# Altium PCB foxbms2-master.PcbDoc (part 6 of 11) (continued)
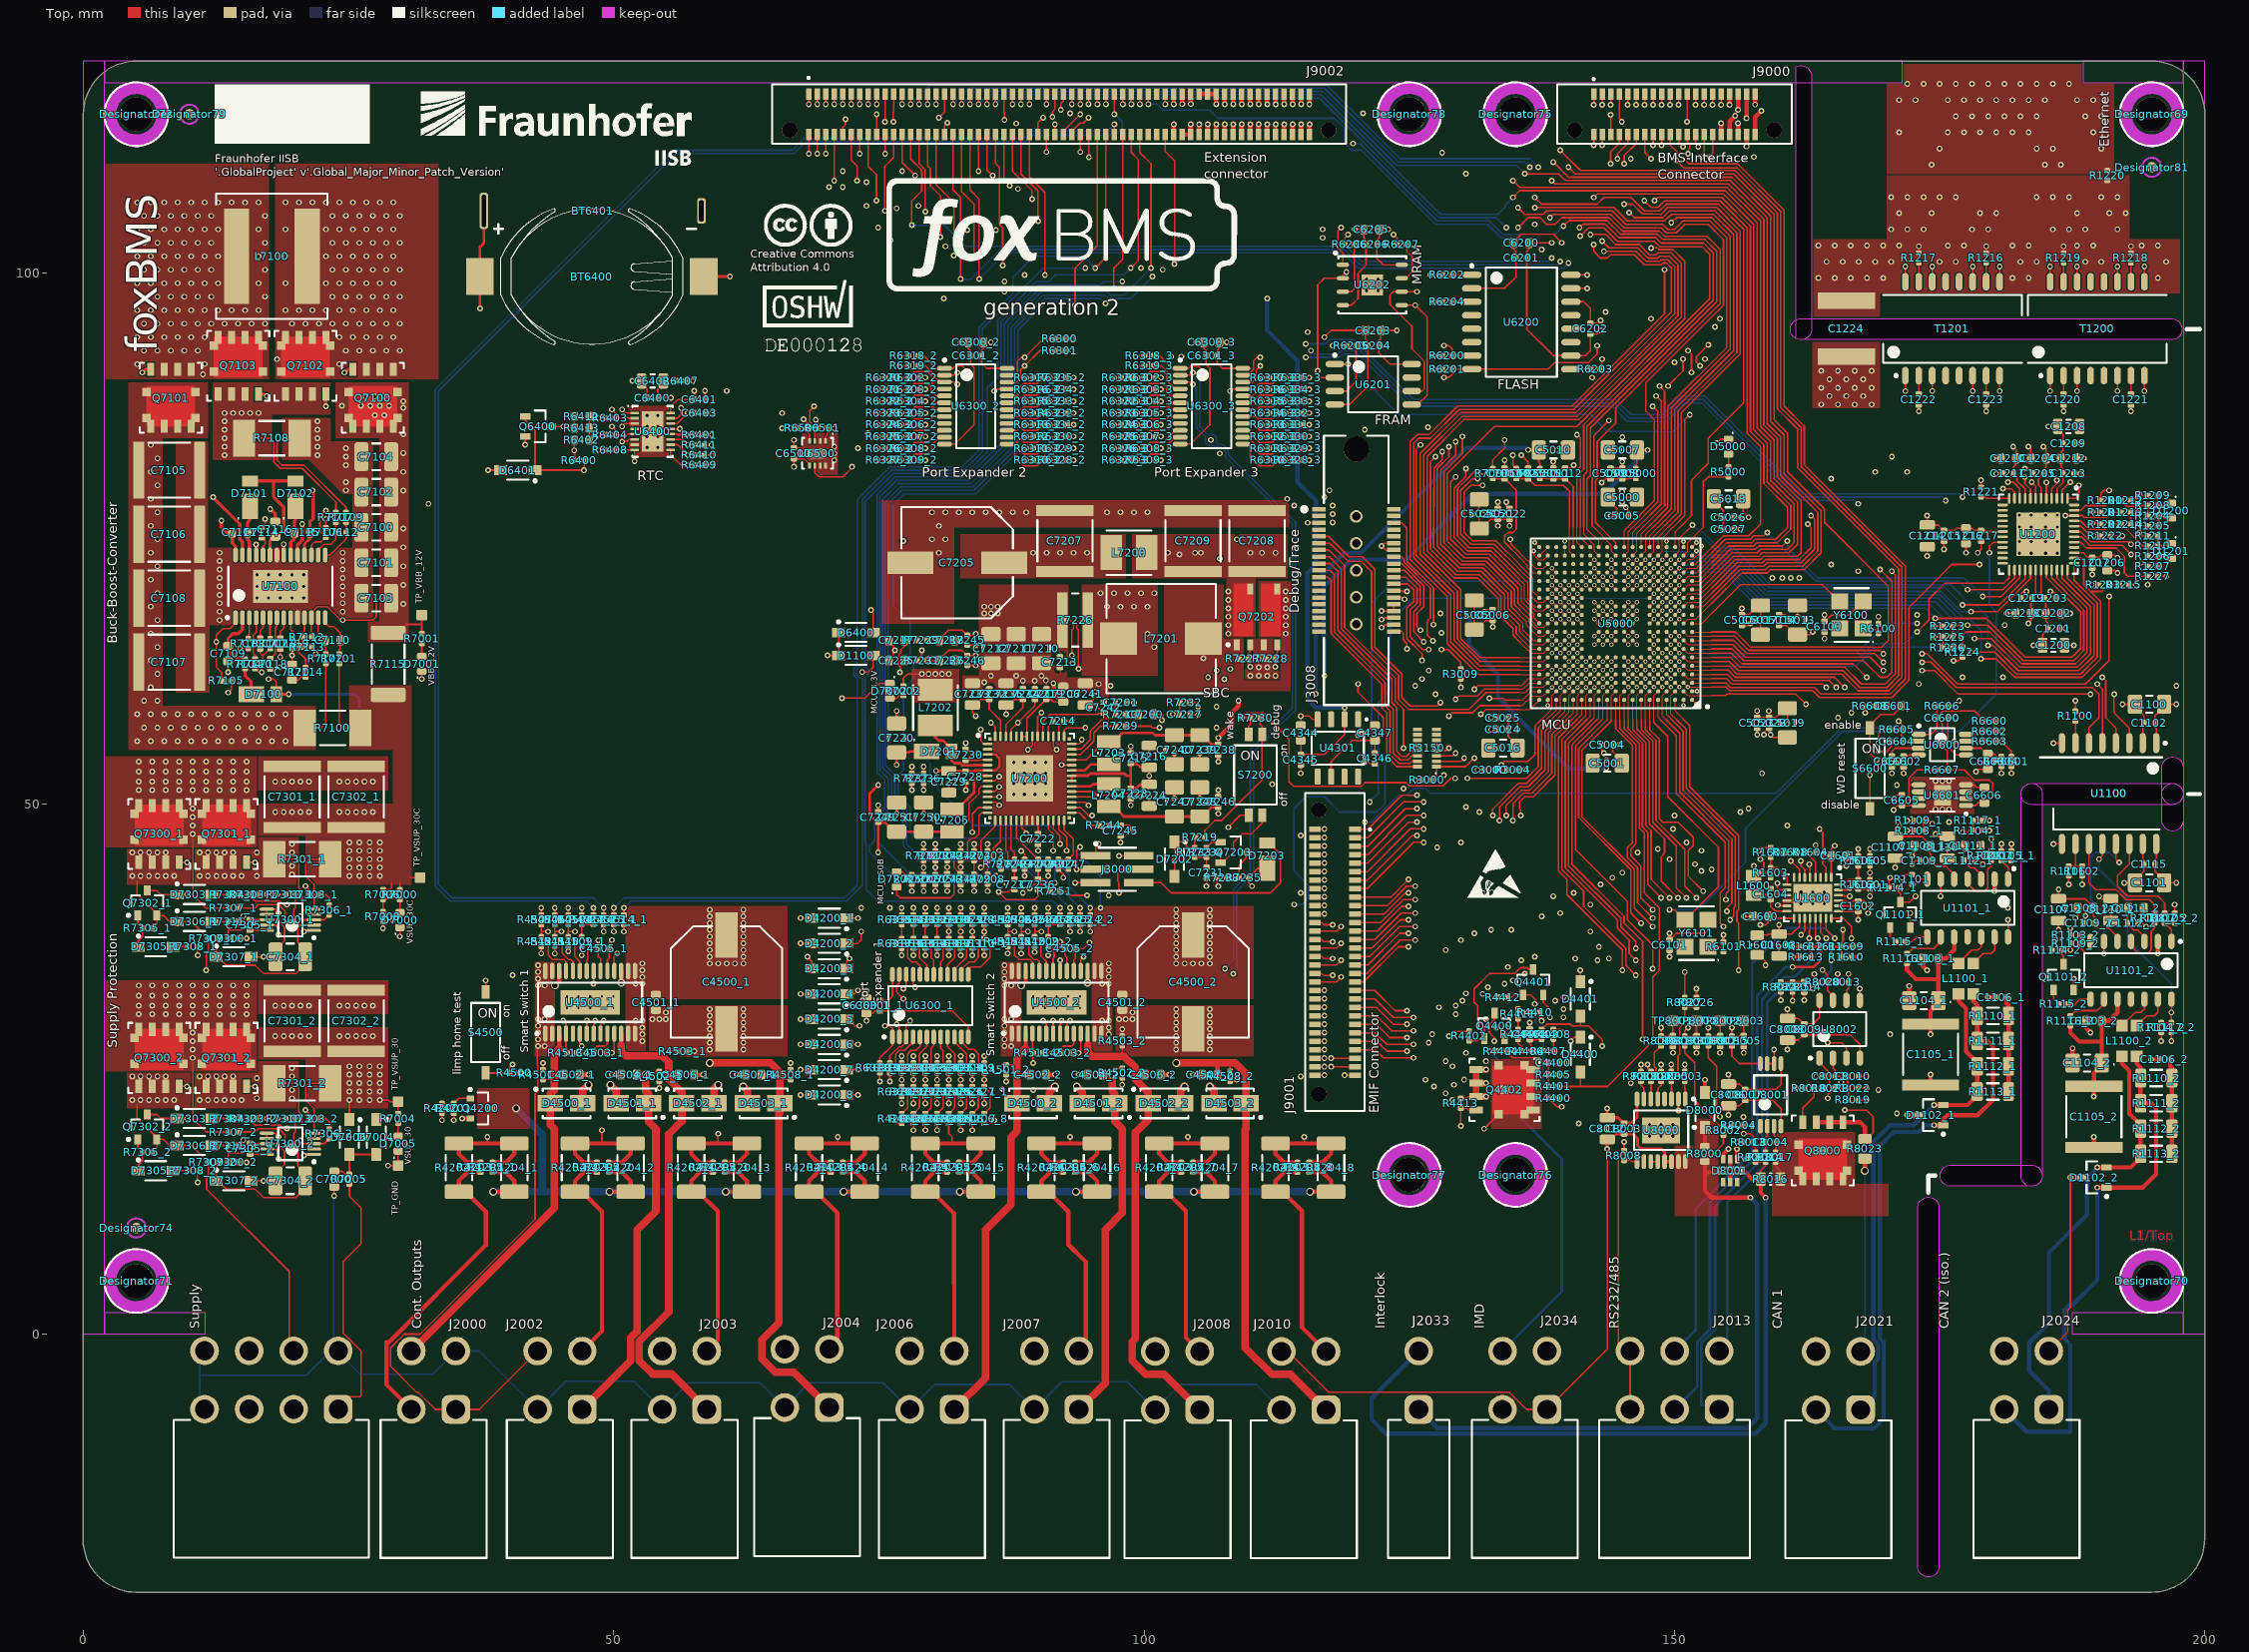
[diagram p0: Top view]
## Nets (pads, with @x,y where several pads share a name; then routed paths per layer and width w, separated by ;. In a path a pad name is that pad's centre, name@x,y a point inside that pad or via, vN(x,y) a via of type N, cw(c..) or ccw(c..) an arc to the next point about the centre after c; other vN are vias at no path point) (continued)
  Top w0.254: v2(80.4,53.095) C7229.2@81.597,53.095 82.636,53.095 82.675,53.056 C7228.2@83.185,53.056 84.013,53.056 84.094,53.138 U7200.6@85.255,53.138 85.999,53.138 86.36,53.499 86.36,54.292 86.015,54.638 U7200.3@85.255,54.638 ; U7200.35@93.18,52.138 U7200.36@93.18,52.637 94.706,52.637 94.909,52.84 98.131,52.84 98.346,52.626 98.742,52.626 ; 98.742,52.626 C7223.2@98.742,51.469 99.306,51.469 99.662,51.825 C7224.2@100.489,51.825 v2(100.489,52.626) C7216.2@100.489,53.426 99.662,53.426 99.306,53.782 C7215.2@98.742,53.782 98.742,52.626
  Top w0.406: J9002.102@108.4,113.1 v1(108.4,114.042) ; J9002.104@109.2,113.1 v1(109.2,114.042) ; v1(110,115.947) J9002.105@110,116.9 ; v1(110.8,115.947) J9002.107@110.8,116.9 ; J9000.34@155.2,113.1 155.2,114.316 v1(155.728,114.844) ; v1(156,115.411) J9000.35@156,116.9
  Int3 (Sig) w0.152: v1(187.801,59.69) 191.77,59.69 193.199,61.119 v1(197.326,61.119)
  Int1 (Sig) w0.152: v2(90.329,58.579) 91.123,58.579 92.71,60.166 92.71,63.5 v2(93.186,63.976)
  Int5 (Pwr) w0.152: v2(22.86,76.835) 25.345,76.835 26.352,77.842 26.352,83.777 28.381,85.806 43.363,85.806 44.396,84.772 v2(48.578,84.772) ; 73.819,31.274 v2(73.819,32.385) ; v2(77.153,35.719) v2(78.264,35.719) v2(79.375,35.719) v2(80.486,35.719) v2(81.597,35.719) v2(82.709,35.719) v2(83.82,35.719) v2(84.931,35.719) 84.931,31.274 ; v1(78.105,41.751) 78.105,42.862 ; v2(181.769,52.864) 181.769,54.71
  Int6 (Sig) w0.406: v1(110,115.947) v1(110.8,115.947) 110.8,116.515 111.284,116.999 116.84,116.999 118.745,115.094 118.745,106.045 v1(116.84,104.14) v1(116.84,103.346)
  other v2: 79.692,62.23 80.328,62.23 80.962,62.23 81.597,62.23 84.931,67.945 85.566,67.945 86.201,67.945 84.931,68.58 85.566,68.58 86.201,68.58
MCU_5.0V_LDO: C1110_1.2 C1111_1.2 C1112_1.2 C4505_1.2 C4505_2.2 C5010.2 C7234.2 C7235.2 C8006.2 C8007.2 C8008.2 C8009.2 D8000.2 FB5001.1 J9000.36 J9000.37 J9002.106 J9002.108 J9002.109 J9002.111 R1600.1 R6606.1 R7201.2 R8005.2 R8018.2 R8019.1 U1101_1.3 U4500_1.19 U4500_2.19 U7200.54 U8001.5 U8002.8 | length 256.8
  Top w0.152: U4500_1.19@49.409,34.224 49.409,35.28 49.564,35.435 C4505_1.2@49.564,36.354 49.564,36.864 v1(49.847,37.148) ; R7201.2@79.216,45.535 v2(79.216,46.196) ; U7200.54@86.967,56.35 86.967,57.44 88.582,59.055 C7234.2@88.582,59.815 87.785,59.815 87.27,59.3 C7235.2@86.995,59.3 v2(86.995,58.42) ; U4500_2.19@93.382,34.224 93.383,35.28 93.538,35.435 C4505_2.2@93.538,36.354 94.307,36.354 v1(94.858,36.905) ; v2(136.207,83.344) C5010.2@137.214,83.344 137.214,82.179 137.319,82.074 FB5001.1@137.319,81.571 ; R8005.2@149.701,24.739 v2(149.701,25.4) ; v2(155.099,24.447) C8006.2@155.099,23.568 156.121,23.568 156.636,23.053 C8007.2@156.686,23.053 159.578,23.053 160.043,23.518 U8001.5@160.043,25.493 ; R1600.1@157.797,35.746 157.973,35.746 158.576,35.143 158.576,34.782 v1(158.591,34.766) ; v2(160.655,30.639) C8008.2@160.655,29.759 161.677,29.759 162.193,29.244 C8009.2@162.243,29.244 163.07,29.244 163.671,29.845 U8002.8@163.671,31.459 ; v2(161.449,23.177) R8018.2@162.269,23.177 ; R8019.1@167.296,22.066 v2(168.116,22.066) ; v1(174.625,47.149) 174.87,46.904 C1110_1.2@175.736,46.904 176.011,46.904 176.878,46.038 C1111_1.2@177.393,46.038 177.393,45.461 177.29,45.358 C1112_1.2@177.29,44.609 177.29,44.559 177.875,43.974 178.251,43.974 178.911,43.314 U1101_1.3@178.911,42.889 ; R6606.1@175.71,59.214 176.422,59.214 176.847,59.639 v2(176.847,59.69)
  Top w0.406: J9002.106@110,113.1 v1(110,114.042) ; J9002.108@110.8,113.1 v1(110.8,114.042) ; v1(111.6,115.941) J9002.109@111.6,116.9 ; v1(112.4,115.941) J9002.111@112.4,116.9 ; D8000.2@152.876,22.749 v2(152.876,23.971) ; J9000.36@156,113.1 v1(156,114.141) ; v1(156.8,114.617) J9000.37@156.8,116.9
  Int3 (Sig) w0.406: v1(120.65,115.094) 120.65,113.983 123.271,111.362 v1(128.111,111.362) ; v2(136.207,83.344) 137.943,83.344 138.624,84.025 141.954,84.025 142.464,84.536 v1(145.097,84.536) 151.526,84.536 153.194,82.867 169.227,82.867 170.815,81.28 v1(171.926,81.28)
  Int1 (Sig) w0.152: v2(79.216,46.196) 79.851,45.561 80.645,45.561 81.121,46.038 81.121,50.165 86.995,56.039 v2(86.995,58.42)
  Int4 (Sig) w0.406: v2(86.995,58.42) 87.95,59.375 97.634,59.375 98.63,60.371 108.902,60.371 116.159,60.371 v1(116.182,60.348) ; v1(111.6,115.941) v1(112.4,115.941) 112.4,115.411 112.717,115.094 v1(120.65,115.094) ; v1(128.111,111.362) 128.111,110.331 130.493,107.95 138.112,107.95 141.082,104.98 142.352,104.98 144.304,103.029 144.304,94.081 145.097,93.288 v1(145.097,84.536) ; v1(171.926,81.28) 171.926,61.119 173.355,59.69 v2(176.847,59.69)
  Bottom w0.406: v1(116.182,60.348) 116.205,70.961 118.879,73.635 120.466,73.635 130.38,83.549 136.002,83.549 v2(136.207,83.344)
MCU_5.74V: C4344.2 C4345.2 C7220.2 C7221.2 D7201.1 J9002.110 J9002.112 Q4400.S R4402.2 U4301.2 U7200.53 | length 210.7
  Top w0.152: U7200.53@87.468,56.35 87.468,56.988 v2(88.106,57.626) 89.694,59.214 C7221.2@89.694,59.815 ; C4344.2@114.776,55.949 C4345.2@114.776,54.644 117.033,54.644 118.904,56.515 U4301.2@118.904,57.945 v1(118.904,59.055) ; v1(128.746,28.099) 129.196,28.549 R4402.2@130.651,28.549 ; Q4400.S@133.982,27.851 133.982,28.453 134.363,28.833 134.363,29.192 v1(134.381,29.21)
  Top w0.254: v2(76.676,53.657) C7220.2@76.676,54.823 77.841,54.823 77.946,54.927 D7201.1@79.477,54.927
  Top w0.406: J9002.110@111.6,113.1 v1(111.6,114.042) ; J9002.112@112.4,113.1 v1(112.4,114.042)
  Int3 (Sig) w0.254: v2(76.676,53.657) 79.375,56.356 86.836,56.356 v2(88.106,57.626)
  Int3 (Sig) w0.406: v1(111.6,114.042) v1(112.4,114.042) ; v1@111.601,97.632 v1@111.601,114.042
  Int1 (Sig) w0.152: v1(76.041,40.164) 76.041,53.023 v2(76.676,53.657)
  Int4 (Sig) w0.152: v1(76.041,40.164) 76.676,40.799 96.203,40.799 103.981,33.02 105.251,33.02 114.617,23.654 124.301,23.654 v1(128.746,28.099) 132.239,28.099 132.398,28.258 133.428,28.258 v1(134.381,29.21)
  Int4 (Sig) w0.406: v2(88.106,57.626) 90.34,57.626 91.292,58.579 101.906,58.579 103.145,59.817 107.338,59.817 108.235,58.92 114.3,58.92 114.435,59.055 v1(118.904,59.055)
  Bottom w0.406: v1(111.601,97.631) 111.601,94.615 114.459,91.757 114.459,80.327 116.205,78.581 116.205,72.549 115.411,71.755 115.411,59.849 116.205,59.055 v1(118.904,59.055)
MCU_ADC.AD1EVT_1: J9002.56 U5000.N19 | length 87.7
  Top w0.102: 135.414,72.549 136.684,71.279 136.684,69.971 U5000.N19@137.263,69.393
  Top w0.152: J9002.56@90,113.1 90,114.182 v1(90.495,114.677) ; v1(131.921,80.01) 130.81,80.01 130.175,79.375 130.175,75.565 130.969,74.771 133.191,74.771 135.414,72.549
  Int1 (Sig) w0.152: v1(90.495,114.677) 90.495,113.181 91.599,112.078 94.774,112.078 96.361,110.49 102.711,110.49 104.775,108.426 124.936,108.426 132.398,100.965 132.398,81.588 132.476,81.51 132.476,80.564 v1(131.921,80.01)
MCU_ADC.AD1IN0: C7245.2 R7244.2 U5000.W14 | length 92.6
  Top w0.102: 140.811,76.041 140.811,74.644 U5000.W14@141.263,74.192
  Top w0.152: R7244.2@96.653,47.942 97.345,47.942 97.378,47.976 C7245.2@97.79,47.976 98.55,47.976 v2(98.901,47.625) ; 140.811,76.041 140.811,81.448 141.129,81.766 141.129,84.455 v1(140.811,84.772)
  Int3 (Sig) w0.152: v2(98.901,47.625) 100.013,46.514 114.3,46.514 v1(114.776,46.99) ; v1(120.809,85.249) 125.571,85.249 126.365,86.042 127.476,86.042 128.351,85.168 135.047,85.168 135.443,84.772 v1(140.811,84.772)
  Int1 (Sig) w0.152: v1(114.776,46.99) 114.776,52.07 115.57,52.864 115.57,75.686 116.364,76.48 116.364,82.55 119.062,85.249 v1(120.809,85.249)
MCU_ADC.AD1IN1: U5000.V17
MCU_ADC.AD1IN2: C8000.2 R8001.1 TP8000.1 U5000.V18 | length 62.9
  Top w0.102: v4(136.744,73.819) 136.744,73.413 137.178,72.979 137.649,72.979 U5000.V18@138.063,73.392
  Top w0.152: v1(151.289,28.892) 150.971,28.575 R8001.1@150.971,28.072 151.611,28.072 151.671,28.133 C8000.2@152.082,28.133 ; TP8000.1@152.082,29.527 C8000.2@152.082,28.133 ; C8000.2@152.132,28.133 C8000.2@152.082,28.133
  Int3 (Sig) w0.152: v1(139.541,30.639) 140.017,30.639 141.129,29.527 150.654,29.527 v1(151.289,28.892)
  Int6 (Sig) w0.102: v4(136.744,73.819) 136.744,71.06 136.843,70.961 136.843,57.944
  Int6 (Sig) w0.152: 136.843,57.944 136.843,39.052 137.954,37.941 137.954,31.432 138.748,30.639 v1(139.541,30.639)
MCU_ADC.AD1IN3: C8002.2 R8009.1 TP8002.1 U5000.T17 | length 61.4
  Top w0.102: v3(138.463,72.192) U5000.T17@138.863,71.792
  Top w0.152: v1(153.194,28.892) R8009.1@153.194,28.072 153.833,28.072 153.893,28.133 C8002.2@154.305,28.133 TP8002.1@154.305,29.527
  Int3 (Sig) w0.152: v1(138.748,31.432) 138.806,31.432 139.043,31.196 139.937,31.196 141.287,29.845 152.241,29.845 v1(153.194,28.892)
  Int6 (Sig) w0.102: 137.16,57.944 137.16,70.89 v3(138.463,72.192)
  Int6 (Sig) w0.152: 137.16,57.944 137.16,41.275 138.271,40.164 138.271,31.909 v1(138.748,31.432)
MCU_ADC.AD1IN4: C8001.2 R8006.1 TP8001.1 U5000.U18 | length 65.5
  Top w0.102: 135.414,73.66 136.892,72.182 137.652,72.182 U5000.U18@138.063,72.592
  Top w0.152: v1(134.542,74.93) 134.542,74.532 135.414,73.66 ; v1(148.749,28.892) R8006.1@148.749,28.072 149.388,28.072 149.448,28.133 C8001.2@149.86,28.133 TP8001.1@149.86,29.527
  Int3 (Sig) w0.152: v1(139.541,29.845) 140.176,29.845 141.129,28.892 v1(148.749,28.892)
  Int6 (Sig) w0.102: 135.414,74.058 136.366,73.106 136.366,70.961 136.525,70.802 136.525,57.944
  Int6 (Sig) w0.152: v1(134.542,74.93) 135.414,74.058 ; 136.525,57.944 136.525,38.894 137.636,37.782 137.636,31.274 139.065,29.845 v1(139.541,29.845)
MCU_ADC.AD1IN5: C8005.2 R8015.1 TP8003.1 U5000.R17 | length 61.9
  Top w0.102: v3(138.463,71.392) U5000.R17@138.863,70.992
  Top w0.152: v1(155.416,28.892) R8015.1@155.416,28.072 156.056,28.072 156.116,28.133 C8005.2@156.528,28.133 TP8003.1@156.528,29.527
  Int3 (Sig) w0.152: v1(139.541,31.75) 139.842,31.45 140.159,31.45 141.446,30.162 154.146,30.162 v1(155.416,28.892)
  Int6 (Sig) w0.102: 137.477,57.944 137.477,70.407 v3(138.463,71.392)
  Int6 (Sig) w0.152: 137.477,57.944 137.477,41.434 138.589,40.322 138.589,32.703 v1(139.541,31.75)
MCU_ADC.AD1IN6: C7001.2 R7007.2 U5000.T19 | length 12.9
  Top w0.102: 135.414,73.214 136.173,72.455 136.173,72.266 136.646,71.792 U5000.T19@137.263,71.792
  Top w0.152: R7007.2@132.874,80.671 133.25,80.671 133.31,80.611 C7001.2@133.985,80.611 134.035,80.611 135.096,79.55 135.096,75.882 134.779,75.565 134.302,75.565 133.985,75.248 133.985,74.643 135.414,73.214
MCU_ADC.AD1IN7: U5000.V14
MCU_ADC.AD1IN8: U5000.P18
MCU_ADC.AD1IN9: U5000.W17
MCU_ADC.AD1IN10: U5000.U17
MCU_ADC.AD1IN11: U5000.U19
MCU_ADC.AD1IN12: U5000.T16
MCU_ADC.AD1IN13: U5000.T18
MCU_ADC.AD1IN14: U5000.R18
MCU_ADC.AD1IN15: U5000.P19
MCU_ADC.AD1IN16: U5000.V13
MCU_ADC.AD1IN17: U5000.U13
MCU_ADC.AD1IN18: U5000.U14
MCU_ADC.AD1IN19: U5000.U16
MCU_ADC.AD1IN20: U5000.U15
MCU_ADC.AD1IN21: U5000.T15
MCU_ADC.AD1IN22: U5000.R19
MCU_ADC.AD1IN23: U5000.R16
MCU_ADC.AD1IN24: J9002.58 U5000.N18 | length 85.4
  Top w0.102: 135.414,72.072 136.481,71.006 136.481,69.577 137.063,68.994 137.664,68.994 U5000.N18@138.063,69.393
  Top w0.152: v1(90.793,111.442) 90.793,112.441 90.8,112.448 J9002.58@90.8,113.1 ; v1(131.445,80.645) 130.969,80.645 129.857,79.534 129.857,75.406 130.81,74.454 133.032,74.454 135.414,72.072
  Int1 (Sig) w0.152: v1(90.793,111.442) 92.38,109.855 102.394,109.855 104.457,107.791 124.619,107.791 131.762,100.647 131.762,82.074 131.286,81.597 131.286,81.131 131.396,81.022 131.396,80.694 v1(131.445,80.645)
MCU_ADC.AD1IN25: J9002.59 U5000.P17 | length 84.6
  Top w0.102: v4(138.463,70.592) U5000.P17@138.863,70.192
  Top w0.152: v1(91.365,114.758) 91.365,115.23 91.606,115.471 91.6,115.478 J9002.59@91.6,116.9
  Int1 (Sig) w0.102: 136.684,76.041 138.748,73.977 138.748,72.549 138.906,72.39 138.906,71.036 v4(138.463,70.592)
  Int1 (Sig) w0.152: v1(91.365,114.758) 90.964,114.357 90.964,113.189 91.757,112.395 95.091,112.395 96.679,110.807 102.87,110.807 104.934,108.744 125.095,108.744 132.715,101.124 132.715,81.597 135.096,79.216 135.096,77.629 136.684,76.041
MCU_ADC.AD1IN26: J9002.60 U5000.P16 | length 82.3
  Top w0.102: v4(139.263,70.592) U5000.P16@139.663,70.192
  Top w0.152: J9002.60@91.6,113.1 v1(91.6,114.042)
  Int1 (Sig) w0.102: 137.16,76.041 139.7,73.501 139.7,71.03 v4(139.263,70.592)
  Int1 (Sig) w0.152: v1(91.6,114.042) 91.6,113.34 92.227,112.712 95.25,112.712 96.837,111.125 103.029,111.125 105.093,109.061 125.254,109.061 133.032,101.282 133.032,81.756 135.414,79.375 135.414,77.787 137.16,76.041
MCU_ADC.AD1IN27: J9002.61 U5000.P15 | length 83.5
  Top w0.102: v4(140.063,70.592) U5000.P15@140.463,70.192
  Top w0.152: v1(92.157,115.407) 92.157,116.005 92.4,116.248 J9002.61@92.4,116.9 J9002.61@92.362,116.862
  Int1 (Sig) w0.102: 137.636,76.041 140.063,73.615 v4(140.063,70.592)
  Int1 (Sig) w0.152: v1(92.157,115.407) 92.157,114.218 93.345,113.03 95.409,113.03 96.996,111.442 103.188,111.442 105.251,109.379 125.412,109.379 133.35,101.441 133.35,81.915 135.731,79.534 135.731,77.946 137.636,76.041
MCU_ADC.AD1IN28: U5000.R15
MCU_ADC.AD1IN29: U5000.R14
MCU_ADC.AD1IN30: U5000.T14
MCU_ADC.AD1IN31: U5000.T13
MCU_ADC.AD2EVT_1: J9002.57 U5000.T10 | length 86.6
  Top w0.102: v3(144.063,72.192) U5000.T10@144.463,71.792
  Top w0.152: v1(90.8,115.947) J9002.57@90.8,116.9
  Int1 (Sig) w0.102: 140.214,76.041 143.034,73.221 143.034,72.549 143.39,72.192 v3(144.063,72.192)
  Int1 (Sig) w0.152: v1(90.8,115.947) 91.692,116.84 100.783,116.84 101.446,116.177 101.446,115.718 101.446,114.613 102.246,113.813 102.57,113.488 102.575,113.488 104.203,111.859 105.732,110.331 125.889,110.331 134.302,101.917 134.302,86.995 137.477,83.82 137.477,78.777 140.214,76.041
MCU_ADC.AD2IN16: J9002.62 U5000.W13 | length 102.2
  Top w0.102: 141.129,76.041 141.129,75.126 U5000.W13@142.062,74.192
  Top w0.152: J9002.62@92.4,113.1 92.4,113.4 93.987,114.988 v1(93.987,114.995) ; 141.129,76.041 141.129,81.213 141.446,81.53 141.446,85.725 153.314,97.593 153.314,101.797 152.597,102.514 148.629,102.514 148.114,103.029 144.621,103.029 143.351,104.299 141.922,104.299 v1(141.129,103.505)
  Int4 (Sig) w0.152: v1(93.987,114.995) 93.987,113.042 96.063,110.966 125.254,110.966 130.334,105.886 133.985,105.886 134.62,105.251 137.319,105.251 139.065,103.505 v1(141.129,103.505)
MCU_ADC.AD2IN17: J9002.63 U5000.W12 | length 103.3
  Top w0.102: 141.764,76.041 141.764,75.882 142.863,74.784 U5000.W12@142.863,74.192
  Top w0.152: v1(93.2,115.947) J9002.63@93.2,116.9 ; v1(139.541,104.457) 140.056,104.972 143.63,104.972 144.9,103.702 148.393,103.702 148.907,103.188 152.876,103.188 153.987,102.076 153.987,97.314 142.081,85.407 142.081,80.962 141.764,80.645 141.764,76.041
  Int4 (Sig) w0.152: v1(93.2,115.947) 93.775,116.522 100.806,116.522 101.207,116.122 101.207,115.812 102.235,114.784 102.235,113.665 102.552,113.347 115.729,113.347 116.84,112.236 v1(119.697,112.236)
  Bottom w0.152: v1(119.697,112.236) 119.742,112.191 120.377,112.191 127.635,104.934 132.556,104.934 133.826,103.664 138.748,103.664 v1(139.541,104.457)
MCU_ADC.AD2IN18: J9002.64 U5000.V12 | length 101.7
  Top w0.102: 141.446,76.041 141.446,75.406 142.48,74.373 142.48,73.775 U5000.V12@142.863,73.392
  Top w0.152: J9002.64@93.2,113.1 93.2,113.4 93.962,114.162 94.265,114.162 v1(94.781,114.677) ; v1(141.048,104.299) 141.385,104.636 143.491,104.636 144.761,103.366 148.253,103.366 148.768,102.851 152.737,102.851 153.651,101.937 153.651,97.453 141.764,85.566 141.764,81.28 141.446,80.963 141.446,76.041
  Int4 (Sig) w0.152: v1(94.781,114.677) 94.781,113.975 97.472,111.284 125.412,111.284 130.493,106.204 134.144,106.204 134.779,105.569 137.477,105.569 137.795,105.886 139.461,105.886 v1(141.048,104.299)
MCU_ADC.AD2IN19: J9002.65 U5000.U12 | length 81.1
  Top w0.102: v4(142.463,72.992) U5000.U12@142.863,72.592
  Top w0.152: v1(94,115.947) J9002.65@94,116.9
  Int1 (Sig) w0.102: 139.414,76.041 v4(142.463,72.992)
  Int1 (Sig) w0.152: v1(94,115.947) 94,115.95 94.572,116.522 100.741,116.522 101.192,116.072 101.192,115.613 101.192,114.391 101.759,113.824 105.569,110.014 125.73,110.014 133.985,101.759 133.985,86.836 137.16,83.661 137.16,78.295 139.414,76.041
MCU_ADC.AD2IN20: U5000.T11
MCU_ADC.AD2IN21: U5000.U11
MCU_ADC.AD2IN22: U5000.V11
MCU_ADC.AD2IN23: U5000.W11
MCU_ADC.AD2IN24: U5000.V19 U5000.W18 | length 1.1
  Top w0.102: U5000.V19@137.263,73.392 U5000.W18@138.063,74.192
MCU_CAN1.RX_1: R1108_1.1 U5000.B10 | length 69.7
  Top w0.102: 144.063,57.944 144.063,60.193 U5000.B10@144.463,60.593
  Top w0.152: 144.063,57.944 144.063,57.812 141.287,55.037 141.287,48.736 146.209,43.815 146.209,40.164 v1(147.955,38.417) ; R1108_1.1@179.864,45.535 v1(179.864,46.672)
  Int3 (Sig) w0.152: v1(147.955,38.417) 148.431,38.894 151.606,38.894 155.892,43.18 166.529,43.18 167.64,42.069 173.672,42.069 174.466,42.862 179.387,42.862 182.394,45.869 182.394,46.672 181.759,47.307 180.499,47.307 v1(179.864,46.672)
MCU_CAN1.TX_1: R1107_1.1 U5000.A10 | length 60.6
  Top w0.102: 144.463,57.944 U5000.A10@144.463,59.792
  Top w0.152: 144.463,57.944 144.463,57.084 146.05,55.497 146.05,46.355 145.574,45.879 145.574,44.926 146.526,43.974 146.526,40.64 v1(147.955,39.211) ; R1107_1.1@180.816,45.535 v1(180.816,46.196)
  Int3 (Sig) w0.152: v1(147.955,39.211) 151.447,39.211 155.734,43.497 166.688,43.497 167.799,42.386 173.514,42.386 174.308,43.18 179.167,43.18 180.816,44.83 v1(180.816,46.196)
MCU_CAN2.RX_1: U1100.6 U5000.H1 | length 45.5
  Top w0.102: U5000.H1@151.663,65.392 153.511,65.392
  Top w0.152: 153.511,65.392 155.588,65.392 156.845,64.135 168.91,64.135 v1(169.704,63.341) ; v1(173.355,63.341) 174.176,63.341 174.633,62.885 176.557,60.96 189.389,60.96 190.024,60.325 190.024,58.102 189.071,57.15 U1100.6@189.071,55.709
  Int3 (Sig) w0.152: v1(169.704,63.341) v1(173.355,63.341)
MCU_CAN2.TX_1: U1100.3 U5000.H2 | length 47.9
  Top w0.102: U5000.H2@150.862,65.392 151.262,64.992 153.511,64.992
  Top w0.152: 153.511,64.992 155.493,64.992 156.667,63.817 168.434,63.817 v1(169.704,62.547) ; v1(173.355,62.547) 174.521,62.547 176.743,60.325 v1(189.23,60.325) ; v1(191.452,60.325) 191.452,58.579 192.881,57.15 U1100.3@192.881,55.709
  Int3 (Sig) w0.152: v1(169.704,62.547) v1(173.355,62.547) ; v1(189.23,60.325) v1(191.452,60.325)
MCU_CAN3.RX_1: J9002.33 U5000.M19 | length 99.5
  Top w0.102: 135.414,71.596 136.207,70.802 136.207,69.215 136.83,68.592 U5000.M19@137.263,68.592
  Top w0.152: v1(80.652,114.677) 81.2,115.225 J9002.33@81.2,116.9 ; v1(131.921,81.28) 131.127,81.28 129.54,79.692 129.54,75.248 130.651,74.136 132.874,74.136 135.414,71.596
  Int1 (Sig) w0.152: v1(80.652,114.677) 81.368,115.393 89.2,115.393 89.852,114.741 89.852,113.347 93.027,110.172 102.552,110.172 104.616,108.109 124.778,108.109 132.08,100.806 132.08,81.766 131.971,81.657 131.971,81.329 v1(131.921,81.28)